# KiCad board board.kicad_pcb (continued)
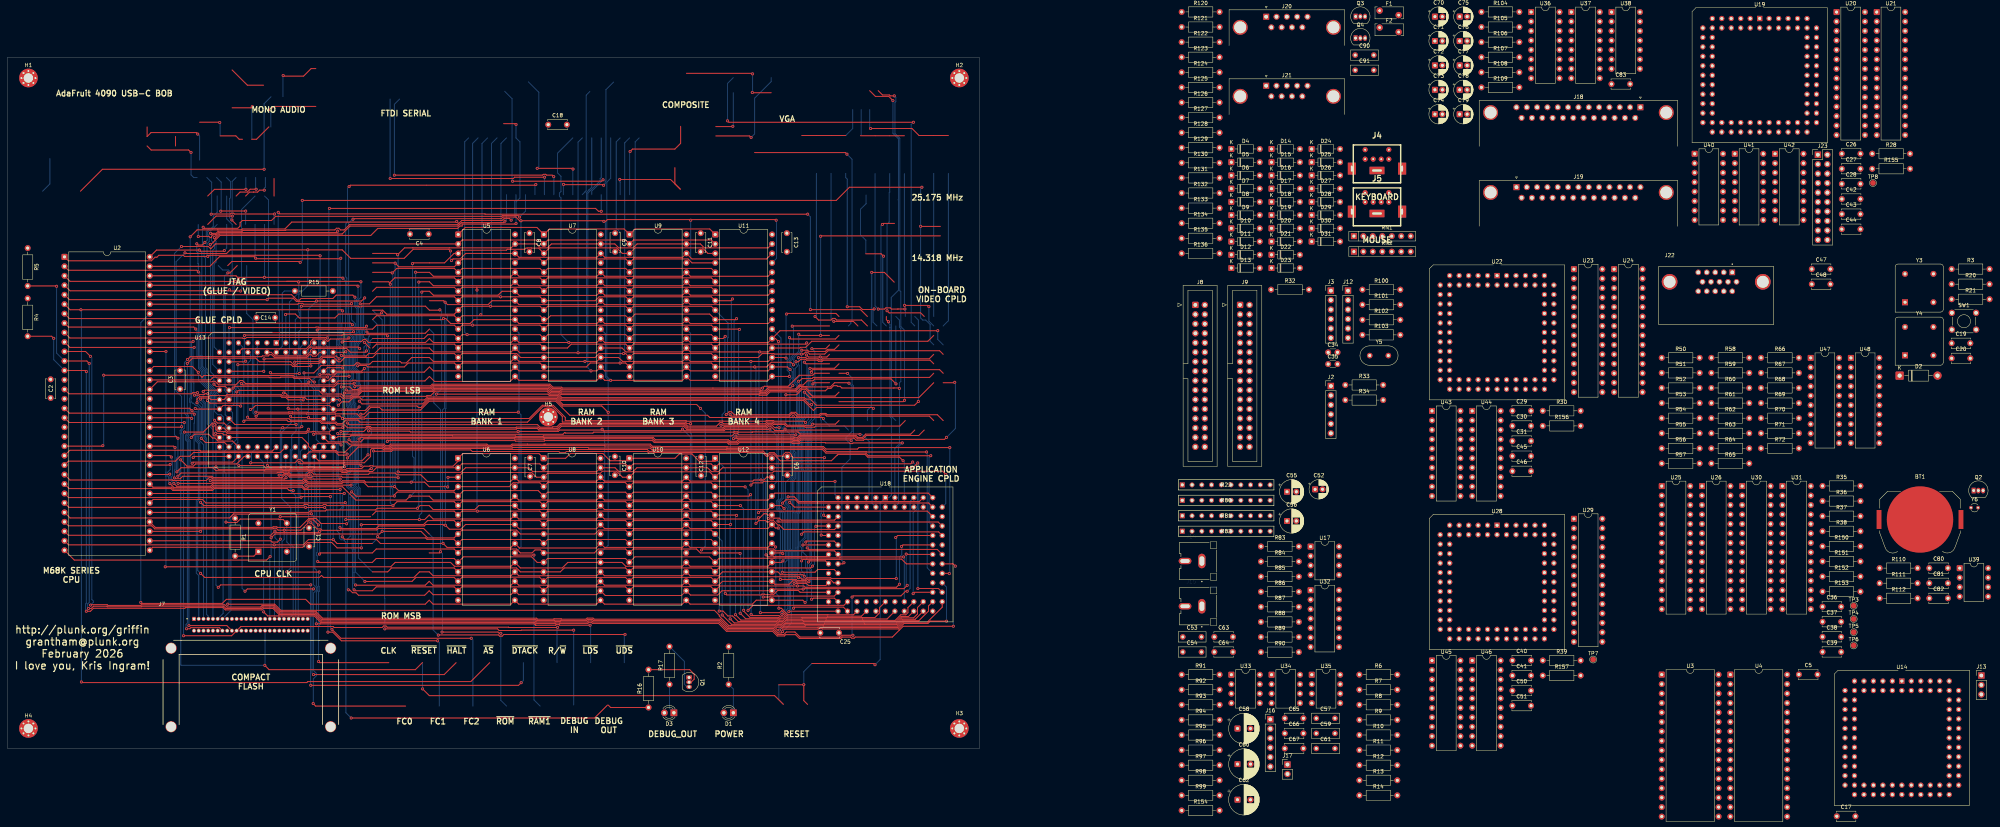
[diagram p0: board, top side]
## Routing (per net, layer and track width the routed paths; a pad name or vN(x,y) marks a point on that pad's centre or on a via; arc(x,y) is an arc through that point) (continued)
  Bottom w0.25: v1(110.3,125.22) 110.3,65.34 109.95,64.99 v1(109.95,64.51) ; v1(207.66,36) 207.66,36.53 208.48,37.34 208.48,49.95 209.04,50.52 209.04,52.93 208.7,53.26 208.7,64 v1(208.23,64.47)
A10: length 391.5
  Top w0.25: v1(111.1,122.52) 111.34,122.75 113.14,122.75 114.19,121.7 131.56,121.7 132.62,122.75 U5.26 137.22,121.65 157.98,121.65 U7.26 160.14,121.7 181,121.7 U9.26 183.11,121.7 203.98,121.7 205.03,122.75 ; U2.38 39.09,66.88 52.26,66.88 53.2,65.94 90.51,65.94 v1(90.57,66) ; v1(90.73,61.47) v1(110.45,61.47) 111.86,61.47 113.08,62.69 114.13,61.63 135,61.63 U6.26 137.11,61.63 157.97,61.63 U8.26 160.08,61.63 180.94,61.63 U10.26 183.05,61.63 201.43,61.63 201.5,61.7 201.5,61.85 v1(201.38,61.97) 201.77,61.97 202.84,63.04 203.48,63.04 203.84,62.69 U12.26 ; v1(201.88,36.49) 207.07,36.49 207.62,37.04 209.07,35.59 219.83,35.59 219.88,35.54 228.98,35.54 230.32,36.88
  Bottom w0.25: v1(201.38,61.97) 201.67,61.97 201.67,41.13 201.88,40.93 v1(201.88,36.49) ; v1(90.57,66) 90.97,65.6 90.97,61.71 v1(90.73,61.47) ; v1(110.45,61.47) 110.43,61.49 110.43,62.59 111.1,63.27 v1(111.1,122.52)
A11: length 380.5
  Top w0.25: v1(89.77,56.83) 90.41,56.19 98.87,56.19 100,55.06 116.78,55.06 v1(116.8,55.09) 117.88,54.01 135,54.01 U6.23 137.28,53.84 157.8,53.84 U8.23 160.08,54.01 180.94,54.01 U10.23 183.05,54.01 203.92,54.01 U12.23 205.92,54.11 v1(205.97,54.11) ; U2.39 90.29,68.48 v1(90.3,68.49) ; 227.79,36.88 226.82,35.92 220.03,35.92 219.98,35.97 209.22,35.97 207.51,37.68 v1(206.85,37.68) ; 205.03,115.14 203.98,114.08 183.11,114.08 U9.23 181,114.08 160.14,114.08 U7.23 158.03,114.08 137.17,114.08 U5.23 125.1,115.14 124.05,114.08 118.87,114.08 117.53,115.41 v1(116.91,115.41) 116.64,115.14 113.14,115.14
  Bottom w0.25: v1(205.97,54.11) 206.02,54.06 206.02,41.68 206.85,40.86 v1(206.85,37.68) ; v1(90.3,68.49) 89.8,67.99 89.8,65.68 90.15,65.33 90.15,64.7 89.9,64.44 89.9,56.95 v1(89.77,56.83) ; v1(116.8,55.09) 116.62,55.27 116.62,90.87 117.2,91.44 117.2,115.13 v1(116.91,115.41)
A12: length 371.2
  Top w0.25: 205.03,120.22 203.98,119.16 183.11,119.16 U9.25 181,119.16 160.14,119.16 U7.25 158.03,119.16 137.17,119.16 U5.25 129.94,120.22 128.89,119.16 118,119.16 v1(117.35,119.81) 116.95,120.22 113.14,120.22 ; v1(207.25,45.41) 211.47,45.41 211.79,45.09 214.15,45.09 214.52,45.46 220.56,45.46 221.53,44.5 222.7,44.5 ; v1(206.68,59.22) 205.9,59.22 U12.25 203.92,59.09 183.05,59.09 U10.25 180.94,59.09 160.08,59.09 U8.25 157.87,58.99 137.21,58.99 U6.25 122.82,60.15 121.56,58.89 118.5,58.89 v1(117.43,59.97) 116.97,59.97 116.79,60.15 112.12,60.15 111.75,59.77 99.56,59.77 98.86,59.07 89.42,59.07 v1(89.15,59.34) ; v1(89.2,69.56) 80.55,69.56 80.5,69.51 79.55,69.51 78.9,70.17 55.3,70.17 54.79,69.66 44.52,69.66 44.02,70.17 39,70.17 U2.40
  Bottom w0.25: v1(206.68,59.22) 207.25,58.64 207.25,52.78 207.11,52.64 207.11,45.55 v1(207.25,45.41) ; v1(89.2,69.56) 89.2,65.75 89.78,65.17 89.78,64.86 89.15,64.23 v1(89.15,59.34) ; v1(117.43,59.97) 117.43,69.77 117.28,69.92 117.28,70.56 117.43,70.71 117.43,91.14 117.58,91.29 117.58,115.03 117.97,115.43 117.97,116.07 117.43,116.62 117.43,119.74 v1(117.35,119.81)
A13: length 383.2
  Top w0.25: 97.9,130.38 103.87,130.38 v1(103.95,130.29) 104.92,129.32 119.82,129.32 U5.4 121.93,131.43 142.79,131.43 U7.4 144.9,131.43 165.76,131.43 U9.4 167.87,131.43 182.49,131.43 183.55,130.38 U11.4 ; 225.25,39.42 224.28,38.46 199.94,38.46 v1(198.57,37.09) ; v1(43.52,73.67) 43.41,73.56 U2.41 ; v1(44.63,71.18) 45.4,70.41 54.48,70.41 55.17,71.1 79.37,71.1 79.85,71.59 80.06,71.59 80.46,71.19 89.68,71.19 90,71.51 95.51,71.51 96.71,70.31 103.79,70.31 v1(103.8,70.31) 104.86,69.25 119.76,69.25 U6.4 134.56,70.31 135.62,71.36 142.73,71.36 U8.4 144.9,71.42 165.65,71.42 U10.4 167.81,71.36 188.68,71.36 U12.4 197.74,70.31 v1(197.8,70.24)
  Bottom w0.25: v1(44.63,71.18) 44.58,71.18 43.6,72.17 43.6,73.59 v1(43.52,73.67) ; v1(198.57,37.09) 198.57,69.47 v1(197.8,70.24) ; v1(103.95,130.29) 103.95,70.47 v1(103.8,70.31)
A14: length 383.2
  Top w0.25: U2.42 43.46,76.1 v1(43.62,76.27) ; 248.11,67.36 246.9,68.56 205.77,68.56 U12.28 203.92,66.71 183.05,66.71 U10.28 180.94,66.71 160.08,66.71 U8.28 157.97,66.71 137.11,66.71 U6.28 135,66.71 114.13,66.71 113.08,67.77 107.98,67.77 v1(107.97,67.78) 106.9,66.71 93.4,66.71 89.84,70.27 80.73,70.27 80.35,69.89 79.7,69.89 79.05,70.54 55.14,70.54 54.63,70.04 44.68,70.04 43.6,71.11 v1(43.56,71.11) ; v1(109.43,127.87) 109.46,127.84 113.14,127.84 114.19,126.78 135.06,126.78 U5.28 137.17,126.78 158.03,126.78 U7.28 160.14,126.78 181,126.78 U9.28 183.11,126.78 203.98,126.78 205.03,127.84
  Bottom w0.25: v1(109.43,127.87) 109.45,127.84 109.45,69.15 108.08,67.78 v1(107.97,67.78) ; v1(43.62,76.27) 43.62,74.87 42.74,73.99 42.74,73.35 43.22,72.87 43.22,71.45 v1(43.56,71.11)
A15: length 383
  Top w0.25: U11.3 187.81,132.92 186.33,134.4 168.3,134.4 U9.3 164.86,132.92 163.38,134.4 145.33,134.4 U7.3 142.42,134.34 140.48,134.34 140.43,134.4 139.55,134.4 139.5,134.34 139.03,134.34 138.7,134.02 134.02,134.02 133.77,133.77 121.72,133.77 U5.3 119.74,132.92 117.2,130.38 108.81,130.38 v1(108.6,130.17) ; v1(43.93,78.27) 43.55,78.64 U2.43 ; v1(118.05,70.24) 117.99,70.31 113.08,70.31 111.87,71.52 v1(108.28,71.52) 96.04,71.52 95.67,71.88 89.84,71.88 89.52,71.56 80.62,71.56 80.22,71.96 79.69,71.96 79.24,71.51 69.84,71.51 69.84,71.52 55.05,71.52 54.72,71.19 v1(45.75,71.19) ; v1(251.6,73.59) 250.74,74.45 205.52,74.45 205.06,73.99 190.88,73.99 U12.3 188.28,74.3 168.21,74.3 U10.3 164.92,72.84 163.32,74.45 159.51,74.45 158.96,73.9 144.84,73.9 U8.3 141.82,72.84 140.57,74.1 122.07,74.1 U6.3 118.18,72.84 v1(118.12,72.79)
  Bottom w0.25: v1(118.05,70.24) 118.12,70.31 v1(118.12,72.79) ; 250.64,64.82 251.6,65.78 v1(251.6,73.59) ; v1(45.75,71.19) 45.07,71.87 44.43,71.87 43.98,72.32 43.98,72.97 44.28,73.27 44.28,76.7 44.1,76.89 44.1,78.09 v1(43.93,78.27) ; v1(108.28,71.52) 109.03,72.28 109.03,78.04 108.6,78.47 v1(108.6,130.17)
A16: length 431.6
  Top w0.25: v1(44.75,72.65) 44.96,72.44 46.33,72.44 46.98,73.09 54.85,73.09 55.18,72.77 72.4,72.77 72.42,72.74 73.63,72.74 74.38,73.49 75.02,73.49 75.63,72.88 80.56,72.88 80.72,72.72 81.39,72.72 81.79,73.12 89.52,73.12 89.79,72.84 104.59,72.84 v1(104.75,72.69) ; v1(244.07,76.67) 242.79,75.39 U12.31 191.74,75.39 190.68,74.33 188.78,74.33 187.72,75.39 U10.31 168.76,75.39 167.71,74.33 163.97,74.33 162.91,75.39 U8.31 157.97,74.33 140.87,74.33 139.81,75.39 U6.31 122.82,75.39 121.57,74.14 104.88,74.14 v1(104.75,74.27) ; 205.03,135.46 203.98,134.4 186.86,134.4 185.8,135.46 U9.31 168.82,135.46 167.77,134.4 163.91,134.4 162.85,135.46 U7.31 145.85,135.46 144.8,134.4 142.89,134.4 141.84,135.46 U5.31 135.06,134.4 118.5,134.4 118.48,134.42 108.67,134.42 108.65,134.4 106.46,134.4 v1(104.62,132.56) 104.28,132.92 97.9,132.92 ; v1(44.93,80.81) 44.56,81.18 U2.44 ; 250.64,41.96 249.64,42.97 v1(244.12,42.97)
  Bottom w0.25: v1(244.12,42.97) 244.12,64.02 244.37,64.26 244.37,76.37 v1(244.07,76.67) ; v1(44.75,72.65) 44.75,74.69 44.93,74.86 v1(44.93,80.81) ; v1(104.62,132.56) 104.75,132.44 v1(104.75,74.27) v1(104.75,72.69)
A17: length 460.1
  Top w0.25: v1(242.73,76.92) 242.25,76.44 190.78,76.44 U12.2 188.68,76.44 167.81,76.44 U10.2 165.7,76.44 144.84,76.44 U8.2 142.73,76.44 121.87,76.44 U6.2 98.92,75.39 97.9,74.37 97.01,74.37 96.98,74.34 91.21,74.34 90.98,74.11 89.72,74.11 89.32,74.51 81.75,74.51 81.66,74.6 80.71,74.6 80.62,74.51 75.6,74.51 75.49,74.62 73.91,74.62 73.8,74.51 69.02,74.51 68.94,74.59 55.92,74.59 55.12,75.39 46.54,75.39 v1(45.43,74.28) ; U2.45 45.3,83.72 v1(45.72,83.3) ; 248.11,41.96 243.22,41.96 v1(242.85,41.59) ; v1(46.65,134.77) 53.88,134.77 54.5,134.14 55.81,135.46 U5.2 121.93,136.51 142.79,136.51 U7.2 144.9,136.51 165.76,136.51 U9.2 167.87,136.51 188.74,136.51 U11.2
  Bottom w0.25: v1(46.65,134.77) 44.8,132.92 44.8,97.15 44.78,97.12 44.78,95.88 44.8,95.85 44.8,84.22 v1(45.72,83.3) 45.72,78.37 45.31,77.97 45.31,74.4 v1(45.43,74.28) ; v1(242.85,41.59) 242.85,63.28 243.99,64.42 243.99,75.65 v1(242.73,76.92)
A18: length 480.7
  Top w0.25: v1(45.69,73.12) 46.55,73.97 72.31,73.97 72.47,74.13 73.95,74.13 74.07,74.24 75.33,74.24 75.94,73.64 80.41,73.64 80.99,74.22 81.5,74.22 82.09,73.64 96.81,73.64 97.15,73.97 103.97,73.97 104.46,73.49 110.84,73.49 112.61,71.72 134.93,71.72 U6.30 137.11,71.79 157.97,71.79 U8.30 160.08,71.79 180.94,71.79 U10.30 183.05,71.79 199.87,71.79 200.17,72.09 v1(202.05,72.09) 202.83,72.09 203.65,72.91 203.72,72.84 U12.30 ; v1(119.05,130.99) 119.49,131.43 121.39,131.43 122.88,132.92 U5.30 137.17,131.86 158.03,131.86 U7.30 160.14,131.86 181,131.86 U9.30 183.54,131.43 203.54,131.43 205.03,132.92 ; U2.46 46.57,86.26 v1(46.7,86.39) ; v1(47.6,133.06) 47.78,132.89 58.75,132.89 59.72,133.87 v1(80.53,133.87) 89.75,133.87 92.03,131.59 106.38,131.59 108.82,134.04 118.32,134.04 v1(118.8,133.56) ; 222.7,41.96 221.68,40.94 204.52,40.94 204.27,40.69 v1(202.65,40.69)
  Bottom w0.25: v1(119.05,130.99) 119.05,131.31 118.8,131.56 v1(118.8,133.56) ; 77.18,108.91 77.18,115.14 78.25,116.2 78.25,117.08 78.12,117.2 78.12,121.84 80.53,124.24 v1(80.53,133.87) ; v1(47.6,133.06) 45.23,130.69 45.23,97.04 45.15,96.97 45.15,96.03 46.7,94.49 v1(46.7,86.39) 46.7,85.82 46.32,85.44 46.32,84.48 46.47,84.33 46.47,78.59 45.69,77.81 45.69,75.04 46.09,74.64 46.09,73.51 v1(45.69,73.12) ; v1(202.05,72.09) 202.65,71.49 v1(202.65,40.69)
A19: length 439.8
  Top w0.25: v1(62.03,75.99) 68.6,75.99 69.33,75.26 73.49,75.26 73.6,75.38 75.8,75.38 75.91,75.26 80.3,75.26 80.39,75.35 81.97,75.35 82.06,75.26 89.63,75.26 90.03,74.87 90.67,74.87 91,75.19 94.99,75.19 95.59,75.79 97.13,75.79 97.25,75.92 97.9,75.92 98.02,75.79 119.48,75.79 120.81,77.12 U6.1 122.06,79.17 142.54,79.17 U8.1 149.66,77.93 150.97,79.24 156.87,79.24 156.89,79.21 159.64,79.21 161.59,77.27 166.1,77.27 U10.1 178.98,77.93 180.14,79.08 183.55,79.08 185.51,77.12 189.72,77.12 189.73,77.12 U12.1 ; v1(49.53,76.6) 49.81,76.88 60.4,76.88 61.94,78.43 ; U2.47 49.24,88.8 v1(49.41,88.63) ; 220.17,41.96 212.55,41.96 212.07,42.44 206.53,42.44 205.41,41.31 203.12,41.31 202.97,41.47 202.33,41.47 202.12,41.25 192.86,41.25 v1(192.48,41.64) ; v1(49,137.37) 50.87,139.23 56.36,139.23 56.38,139.25 62.76,139.25 62.98,139.47 74.38,139.47 76.23,141.31 120.28,141.31 v1(120.47,141.5) ; U5.1 122.76,139.89 141.95,139.89 U7.1 145.32,139.47 165.34,139.47 U9.1 168.29,139.47 188.31,139.47 U11.1
  Bottom w0.25: U5.1 120.87,141.1 v1(120.47,141.5) ; v1(49.53,76.6) 49.03,77.09 49.03,82.64 48.5,83.17 48.5,83.81 49.03,84.33 49.03,88.25 v1(49.41,88.63) 49.41,89.69 48.7,90.39 48.7,91.04 49,91.34 49,92.84 48.82,93.01 48.82,93.97 49,94.14 v1(49,137.37) ; U12.1 192.48,75.18 v1(192.48,41.64) ; v1(62.03,75.99) 62.03,78.34
A20: length 282.7
  Top w0.25: U2.48 48.85,91.34 v1(49.47,90.72) ; v1(59.05,38.77) 71.65,38.77 73.3,37.11 189.56,37.11 190.88,35.79 190.88,35.54 193.44,32.98 194,32.98 194,32.98 205.86,32.98 206.25,32.59 207.27,32.59 207.79,32.07 217.36,32.07 217.49,32.2 218.42,32.2 218.49,32.12 238.93,32.12 240.39,33.59 246.81,33.59 247.44,34.22 v1(251.8,34.22) ; 59.4,78.43 50.09,78.43 v1(49.8,78.14)
  Bottom w0.25: 59.4,78.43 59.4,39.12 v1(59.05,38.77) ; v1(49.47,90.72) 49.77,90.42 50.86,90.42 50.86,84.88 50.05,84.07 50.05,78.39 v1(49.8,78.14) ; 250.64,44.5 251.8,43.34 v1(251.8,34.22)
A21: length 240.4
  Top w0.25: v1(210.93,44.34) 210.93,44.34 214.26,44.34 214.81,43.79 219.45,43.79 220.17,44.5 ; v1(82.1,84.37) 82.2,84.47 86.38,84.47 87.34,83.5 88.35,83.5 88.58,83.74 91.82,83.74 92.07,83.99 119.3,83.99 119.37,83.92 136.21,83.92 136.32,83.81 143.61,83.81 143.72,83.92 194.26,83.92 195,84.66 195.64,84.66 196.08,84.21 211.39,84.21 v1(211.39,84.22) ; U2.50 40.19,98.46 54.91,98.46 55.05,98.59 55.65,98.59 56.62,97.63 61.21,97.63 62.38,98.79 63.02,98.79 63.81,98 80.74,98 80.82,98.08 v1(80.82,98.39)
  Bottom w0.25: v1(82.1,84.37) 82.1,96.51 80.82,97.79 v1(80.82,98.39) ; v1(211.39,84.22) 211.1,83.93 211.1,79.77 211.39,79.48 211.39,77.46 211.35,77.42 211.35,72.52 210.85,72.03 210.85,63.31 210.85,63.31 210.93,63.24 v1(210.93,44.34)
A22: length 266.9
  Top w0.25: v1(252.55,46.97) 252.48,47.04 250.64,47.04 ; U2.51 54.47,98.96 55.22,99.71 70.12,99.71 70.27,99.56 73.16,99.56 73.3,99.71 76.52,99.71 76.87,99.36 81,99.36 81.97,98.39 v1(82.27,98.39) ; 84.8,83.5 86,82.31 91.08,82.31 91.66,81.72 100.96,81.72 101.37,81.31 102.33,81.31 102.74,81.72 128.55,81.72 128.86,81.41 135.01,81.41 135.32,81.72 139.45,81.72 139.46,81.7 143.85,81.7 144.16,81.7 144.18,81.72 172.36,81.72 172.94,81.14 175.06,81.14 175.14,81.07 192.98,81.07 193.08,80.97 196.13,80.97 196.23,81.07 218.79,81.07 219.47,80.39 227.9,80.39 228.3,80.79 v1(252.68,80.79)
  Bottom w0.25: v1(252.68,80.79) 252.68,47.09 v1(252.55,46.97) ; v1(82.27,98.39) 82.27,98.02 83,97.29 83,85.31 84.8,83.5
A23: length 313.3
  Top w0.25: U2.52 39.2,102.55 49.59,102.55 v1(51.16,100.99) ; 113.14,112.59 112.03,111.49 96.71,111.49 v1(96.39,111.81) ; v1(96.28,106.74) 95.93,106.39 91.95,106.39 90.94,107.4 82.69,107.4 82.69,107.4 81.83,107.4 81.22,106.79 81.22,106.5 80.12,105.4 71.7,105.4 70.74,106.37 U13.4 ; v1(55.84,84.61) 57.64,84.61 58.03,84.22 58.69,84.22 59.4,83.5 78.95,83.5 80.68,81.77 80.68,81.18 81.86,80 88.11,80 88.55,79.56 90.49,79.56 92.24,81.32 100.83,81.32 101.22,80.93 102.48,80.93 102.87,81.32 128.42,81.32 128.71,81.03 135.17,81.03 135.45,81.32 160.13,81.32 160.21,81.24 172.31,81.24 172.78,80.77 174.46,80.77 174.53,80.69 192.83,80.69 192.92,80.59 196.29,80.59 196.39,80.69 218.64,80.69 219.64,79.69 230.29,79.69 230.36,79.62 v1(246.45,79.62)
  Bottom w0.25: v1(96.28,106.74) 96.28,107.92 96.85,108.48 96.85,110.49 97.03,110.67 97.03,111.17 v1(96.39,111.81) ; v1(55.84,84.61) 55.84,87.28 55.73,87.38 54.59,87.38 54.59,92.55 54.76,92.73 54.76,94.74 54.39,95.12 54.39,95.68 51.22,98.84 51.22,100.92 v1(51.16,100.99) ; v1(246.45,79.62) 246.62,79.44 246.62,48.52 248.11,47.04
D0: length 462.4
  Top w0.25: 220.17,57.2 218.31,57.2 v1(218.2,57.31) ; 97.9,107.52 98.95,108.57 119.82,108.57 U5.13 121.93,108.57 142.79,108.57 U7.13 150.13,107.52 151.19,108.57 165.76,108.57 U9.13 167.87,108.57 188.74,108.57 U11.13 190.84,108.57 213.98,108.57 v1(214.3,108.89) ; U2.5 16.62,120.49 v1(69.62,120.49) 70.02,120.89 76.6,120.89 77.5,119.99 82.73,119.99 v1(82.88,120.14) 94.95,120.14 v1(95.78,120.97) ; 84.8,88.59 80.98,88.59 v1(80.72,88.84) 76.2,88.84 75.93,89.12 v1(75.93,89.22) ; v1(214.22,105.65) 214.76,105.11 v1(217.95,105.11) 219.71,105.11 220.43,105.83 ; 97.23,107.52 v1(95.69,109.05)
  Bottom w0.25: v1(214.3,108.89) 214.3,105.72 v1(214.22,105.65) ; 68.94,148.31 69.99,147.26 69.99,120.86 v1(69.62,120.49) ; U9.13 168.32,109.02 168.32,162.86 169.38,163.92 ; v1(95.69,109.05) 95.1,109.65 95.1,111.24 95.22,111.37 95.22,112.14 95.5,112.42 95.5,120.69 v1(95.78,120.97) ; v1(80.72,88.84) 80.68,88.88 80.68,97.12 80.05,97.76 80.05,98.72 80.5,99.17 80.68,99.17 80.68,117.95 v1(82.88,120.14) ; v1(218.2,57.31) 218.2,62.22 218.07,62.34 218.07,62.99 218.2,63.11 218.2,88.08 217.99,88.28 217.99,88.93 218.2,89.13 218.2,104.86 v1(217.95,105.11) ; J7.21 76.6,36 76.6,54.27 75.96,54.91 75.96,64.73 73.53,67.17 73.53,84.89 76.07,87.44 76.07,89.06 v1(75.93,89.22)
D1: length 527.6
  Top w0.25: v1(212.94,57.54) 213.56,58.16 249.68,58.16 250.64,57.2 ; v1(62.53,122.81) 59.85,122.81 v1(59.53,123.14) 59.26,122.87 16.78,122.87 U2.4 ; 250.9,105.83 249.94,106.79 220.03,106.79 219.13,105.89 215.08,105.89 214.54,106.42 213.98,106.42 213.45,105.89 v1(212.9,105.89) 205.6,105.89 205.47,106.03 202.36,106.03 201.31,104.98 U11.14 188.74,106.03 167.87,106.03 U9.14 165.76,106.03 v1(165.2,106.03) 158.65,106.03 157.6,104.98 U7.14 137.6,104.98 136.55,106.03 121.93,106.03 U5.14 119.82,106.03 98.95,106.03 97.9,104.98 90.46,104.98 89.3,103.82 88.71,103.82 87.55,104.98 84.59,104.98 83.48,103.87 77.18,103.87 v1(77.03,103.72) ; v1(77.4,86.99) 61,86.99 59.4,88.59
  Bottom w0.25: 59.4,88.59 58.38,89.61 58.38,94.62 59,95.24 58.44,95.81 58.44,95.9 58.12,96.22 58.36,96.45 58.36,121.98 v1(59.53,123.14) ; v1(212.94,57.54) 213.21,57.81 213.21,74.54 212.9,74.85 212.9,82.92 213.41,83.43 213.41,85 212.69,85.72 212.69,86.67 212.43,86.92 212.43,88.19 212.9,88.66 v1(212.9,105.89) ; v1(77.03,103.72) 77.03,87.37 v1(77.4,86.99) 77.4,85.27 76.22,84.09 76.22,81.37 76.22,81.36 76.22,80.57 76.22,80.56 76.22,80.54 75.84,80.16 75.84,69.5 75.96,69.37 75.96,68.98 76.34,68.6 76.6,68.6 76.6,68.54 77.3,67.84 77.3,35.43 J7.22 ; 166.83,163.92 165.5,162.58 165.5,106.33 v1(165.2,106.03) ; 66.4,148.31 62.75,144.67 62.75,123.04 v1(62.53,122.81)
D2: length 497.3
  Top w0.25: 74.85,125.41 94.65,125.41 v1(94.78,125.29) ; 74.85,125.41 v1(61.1,125.41) 60.26,125.41 60.18,125.34 58.27,125.34 58.19,125.41 16.78,125.41 U2.3 ; 74.85,125.41 77.9,125.41 v1(78.07,125.24) ; v1(200.7,60.44) 201.46,61.2 203.31,61.2 203.67,60.84 204.18,60.84 204.53,61.2 205.41,61.2 206.61,59.99 207,59.99 208.15,58.84 219.7,58.84 219.77,58.78 221.74,58.78 222.7,59.74 ; 222.96,108.37 221.77,107.17 219.87,107.17 219.32,106.62 214.88,106.62 214.56,106.94 v1(213,106.94) ; 84.8,91.12 v1(77.85,91.12) 75.49,91.12 v1(75.28,91.34) ; v1(210.76,103.02) 210.09,103.69 204.8,103.69 203.54,102.44 v1(200.38,102.44) U11.15 188.74,103.49 167.87,103.49 U9.15 165.76,103.49 v1(164.27,103.49) 156.26,103.49 155.21,102.44 U7.15 142.79,103.49 121.93,103.49 U5.15 119.82,103.49 107.45,103.49 106.4,102.44 96.6,102.44 96.22,102.81 93.97,102.81 v1(93.9,102.74)
  Bottom w0.25: v1(200.7,60.44) 200.65,60.49 200.65,71.35 200.7,71.41 200.7,102.11 v1(200.38,102.44) ; v1(210.76,103.02) 210.76,104.27 210.89,104.39 210.89,104.83 v1(213,106.94) ; J7.23 77.96,74.45 77.43,74.99 77.43,77.31 78.14,78.03 78.14,90.83 v1(77.85,91.12) ; 164.3,163.92 163.24,162.86 163.24,139.64 164.27,138.6 v1(164.27,103.49) ; v1(61.1,125.41) 60.27,126.25 60.27,140.7 58.78,142.18 58.78,148.31 ; v1(78.07,125.24) 78.12,125.19 78.12,122.38 75.6,119.86 75.6,105.97 75.28,105.64 v1(75.28,91.34) ; v1(94.78,125.29) 94.78,121.14 93.95,120.31 93.95,119.84 93.79,119.69 93.79,119.04 94.67,118.17 94.67,112.66 94.47,112.45 94.47,111.68 94.34,111.55 94.34,109.26 93.76,108.68 93.76,102.88 v1(93.9,102.74)
D3: length 478.1
  Top w0.25: v1(209.68,99.89) 209.23,99.89 209.22,99.9 205.03,99.9 203.98,98.84 183.11,98.84 U9.17 181,98.84 v1(161.75,98.84) 160.14,98.84 U7.17 158.03,98.84 137.17,98.84 U5.17 134.78,98.56 114.47,98.56 113.14,99.9 111.94,98.69 93.47,98.69 93.3,98.87 92.65,98.87 92.48,98.69 88.65,98.69 87.58,97.62 63.1,97.62 v1(62.7,98.02) ; v1(50.76,135.49) 51.11,135.14 52.21,135.14 v1(52.94,135.87) ; v1(209.68,110.31) 210.05,109.94 222,109.94 222.96,110.91 ; v1(62.53,91.94) 62.38,92.09 57.82,92.09 56.86,91.12 50.52,91.12 v1(50.35,91.29) ; v1(51.18,127.95) 50.74,128.39 16.34,128.39 U2.2 ; 222.7,62.28 221.74,61.32 207.48,61.32 206.93,61.87 205.64,61.87 205.41,61.63 204.14,61.63 v1(204.01,61.77)
  Bottom w0.25: v1(204.01,61.77) 203.65,62.12 203.65,98.52 205.03,99.9 ; 51.18,130.09 51.07,130.19 51.07,133.08 50.76,133.4 v1(50.76,135.49) ; 51.18,130.09 51.18,130.14 ; 51.18,130.09 v1(51.18,127.95) ; 161.75,163.92 161.75,153.09 160.7,152.04 160.7,99.89 v1(161.75,98.84) ; 51.57,127.88 51.57,105.51 51.75,105.34 51.75,105.33 51.99,105.1 51.99,102.32 52.75,101.55 52.75,98.92 55.52,96.15 55.52,95.59 55.9,95.21 55.9,92.09 56.86,91.12 ; v1(62.7,98.02) 62.62,97.95 62.62,92.04 v1(62.53,91.94) ; v1(209.68,99.89) 209.68,100.96 209.07,101.57 209.07,104.17 209.68,104.78 v1(209.68,110.31) ; v1(50.35,91.29) 50.64,91.29 51.24,90.69 51.24,84.72 50.43,83.91 50.43,82.65 51.2,81.88 51.2,67.14 50.64,66.58 50.64,47.1 51.29,46.44 J7.02 ; v1(52.94,135.87) 53.55,136.48 53.55,137.48 53.42,137.61 53.42,137.72 53.31,137.83 53.31,138.79 53.98,139.46 54.46,139.46 55.19,140.19 55.19,142.91 56.24,143.96 56.24,148.31
D4: length 480.6
  Top w0.25: v1(50.83,92.83) 50.83,93.81 51.48,94.46 54.04,94.46 54.32,94.74 58.58,94.74 58.84,95.01 73.39,95.01 73.73,94.67 74.77,94.67 75.18,94.25 79.7,94.25 80.29,93.67 84.8,93.67 ; v1(83.84,132.27) 83.68,132.42 54.03,132.42 v1(53.72,132.12) 47.45,132.12 47.15,132.42 40.59,132.42 40.07,131.89 39.55,131.89 38.59,130.93 16.34,130.93 U2.1 ; v1(210.43,113.39) 210.48,113.45 220.43,113.45 ; 220.17,64.82 211.02,64.82 v1(209.75,66.09) ; v1(83.75,100.41) 83.85,100.32 85.36,100.32 85.55,100.52 86.2,100.52 86.39,100.32 87.74,100.32 88.33,100.91 95.1,100.91 95.23,101.04 111.74,101.04 113.14,102.44 114.19,101.38 135.06,101.38 U5.18 137.17,101.38 v1(156.48,101.38) 158.03,101.38 U7.18 160.14,101.38 181,101.38 U9.18 183.11,101.38 203.98,101.38 205.03,102.44 209.15,102.44 v1(209.85,101.74)
  Bottom w0.25: v1(156.48,101.38) 155.62,102.24 155.62,149.11 156.3,149.79 156.3,149.8 158.93,152.42 158.93,152.99 159.21,153.28 159.21,163.92 ; v1(53.72,132.12) 53.51,132.33 53.51,135.5 54.1,136.1 54.1,137.46 53.8,137.76 53.8,137.87 53.68,137.99 53.68,138.63 54.14,139.09 54.63,139.09 56.24,140.7 ; 84.8,93.67 83.53,94.94 83.53,98.83 83.88,99.18 83.88,100.29 v1(83.75,100.41) 83.84,100.5 v1(83.84,132.27) ; v1(209.75,66.09) 210.1,66.44 210.1,72.34 210.56,72.8 210.56,77.7 210.63,77.77 210.63,79.02 210.35,79.3 210.35,86.34 209.81,86.88 209.81,98.98 210.43,99.6 210.43,101.16 v1(209.85,101.74) 209.61,101.98 209.61,104.18 210.11,104.68 210.11,105.12 210.75,105.76 210.75,113.06 v1(210.43,113.39) ; J7.03 52.56,81.58 51.18,82.96 51.18,83.6 51.99,84.41 51.99,91.66 v1(50.83,92.83)
D5: length 449.8
  Top w0.25: v1(58.14,133.67) 57.97,133.5 51.75,133.5 v1(51.44,133.81) 39.99,133.81 U2.64 ; v1(51.75,93.8) 52.03,94.09 54.16,94.09 54.58,93.67 58.04,93.67 59,94.63 73.23,94.63 73.57,94.29 74.61,94.29 75.3,93.6 v1(79.29,93.6) ; v1(208.9,116.64) 209.07,116.81 222.13,116.81 222.96,115.99 ; v1(79.51,100.84) 82.15,100.84 84.17,102.86 92.92,102.86 93.58,103.52 94.22,103.52 94.55,103.19 97.17,103.19 97.9,103.92 105.28,103.92 105.69,103.51 106.94,103.51 108.4,104.98 113.14,104.98 114.19,103.92 135.06,103.92 U5.19 137.17,103.92 v1(154.85,103.92) 158.03,103.92 U7.19 163.88,104.98 164.94,103.92 181,103.92 U9.19 183.11,103.92 v1(199.35,103.92) 203.98,103.92 205.03,104.98 208.62,104.98 v1(208.77,104.81) ; v1(199.35,70.74) 199.93,71.32 202.37,71.32 202.77,71.72 v1(221.9,71.72)
  Bottom w0.25: v1(208.77,104.81) 208.77,116.52 v1(208.9,116.64) ; v1(51.44,133.81) 52.12,133.13 52.12,105.49 52.36,105.25 52.36,102.48 53.13,101.71 53.13,99.07 55.9,96.31 55.9,95.74 56.86,94.78 56.86,93.67 ; J7.04 53.83,35.57 53.4,36.01 53.4,72.38 53.02,72.76 53.02,83.08 52.7,83.41 52.7,83.8 52.75,83.85 52.75,92.62 51.75,93.62 v1(51.75,93.8) ; v1(221.9,71.72) 221.9,68.17 222.7,67.36 ; v1(154.85,103.92) 155.25,104.32 155.25,149.27 155.92,149.94 155.92,149.95 156.68,150.71 156.68,163.92 ; v1(58.14,133.67) 58.78,134.31 58.78,140.7 ; v1(79.51,100.84) 79.67,100.67 79.67,97.6 79.78,97.5 79.78,94.08 v1(79.29,93.6) ; v1(199.35,70.74) v1(199.35,103.92)
D6: length 510.3
  Top w0.25: v1(53.61,93.41) 54.32,92.7 86.38,92.7 87.34,93.67 88.96,93.67 v1(89.04,93.58) ; U2.63 54.27,129.44 56.87,132.04 66.14,132.04 v1(66.54,131.64) 66.69,131.49 89.25,131.49 v1(89.38,131.62) ; 248.37,110.91 246.79,109.33 215.66,109.33 214.04,107.71 212.68,107.71 212.48,107.52 205.03,107.52 203.98,106.46 v1(201.7,106.46) 183.11,106.46 U9.20 181,106.46 165.86,106.46 164.81,107.52 U7.20 157.81,106.24 v1(153,106.24) 137.39,106.24 U5.20 135.06,106.46 114.19,106.46 113.14,107.52 99.91,107.52 98.42,106.03 96.86,106.03 96.21,105.38 89.68,105.38 v1(89.53,105.53) ; v1(201.38,63.34) 201.5,63.34 201.9,63.74 246.65,63.74 248.11,62.28
  Bottom w0.25: v1(53.61,93.41) 53.58,93.37 53.58,87.13 55.1,85.61 J7.05 ; 154.13,163.92 153,162.78 v1(153,106.24) ; 66.4,140.7 66.4,131.78 v1(66.54,131.64) ; v1(201.7,106.46) 201.5,106.26 201.5,72.64 201.25,72.39 201.25,63.59 201.38,63.47 v1(201.38,63.34) ; v1(89.04,93.58) 88.76,93.87 88.76,100.27 89.13,100.64 89.13,103.65 89.68,104.2 89.68,105.38 v1(89.53,105.53) 89.18,105.88 89.18,107.84 88.59,108.42 88.59,109.61 89.18,110.19 89.18,131.42 v1(89.38,131.62)
  vias: v1(68.72,101.27) v1(68.8,104.62) v1(88.72,92.17) v1(88.93,104.62) v1(232.18,91.31)
D7: length 685.5
  Top w0.25: 220.17,62.28 219.24,62.28 v1(218.85,62.67) ; 205.03,110.06 207.14,112.17 v1(249.45,112.17) ; 205.03,110.06 203.96,108.99 183.12,108.99 U9.21 181,109 160.14,109 U7.21 158.03,109 v1(150.53,109) 137.17,109 U5.21 135.06,109 114.19,109 113.14,110.06 112.09,109 96.84,109 96.01,109.83 95.46,109.83 94.91,109.28 89.89,109.28 v1(89.74,109.13) ; 205.03,110.06 205.94,110.06 v1(206.75,109.24) ; v1(89.95,126.27) 89.72,126.49 v1(68.88,126.49) 62.2,126.49 v1(61.95,126.24) 61.29,126.9 U2.62 ; 250.64,59.74 249.57,60.81 206.89,60.81 v1(206.61,61.09) ; v1(219.05,78.09) 210.7,78.09 210.26,78.54 210.26,78.86 209.6,79.52 208.66,79.52 208,78.86 208,78.54 206.48,78.54 205.59,79.43 204.35,79.43 203.71,78.79 202.67,79.84 173.16,79.84 173.06,79.74 172.09,79.74 171.54,80.29 135.49,80.29 135.48,80.28 128.39,80.28 128.13,80.54 103.16,80.54 102.8,80.18 100.9,80.18 100.54,80.54 97.71,80.54 97.38,80.21 97.38,78.41 95.68,76.72 90.34,76.72 90.21,76.84 79.32,76.84 78.52,77.64 78.03,77.64 77.1,76.72 v1(65.22,76.72)
  Bottom w0.25: 250.9,108.37 249.45,109.82 v1(249.45,112.17) ; v1(219.05,78.09) 218.85,77.89 v1(218.85,62.67) ; v1(206.75,109.24) 206.75,86.94 206.07,86.26 206.07,85.75 206.75,85.07 206.75,66.98 206.29,66.52 206.29,64.25 207.18,63.37 207.18,61.66 v1(206.61,61.09) ; J7.06 57.82,36.27 57.82,84.63 58.4,85.21 58.4,86.41 59.61,87.62 59.8,87.62 60.36,88.19 60.36,90.16 59.4,91.12 60.83,92.55 60.83,95.99 61.28,96.44 61.28,97.08 60.83,97.53 60.83,124.05 61.95,125.17 v1(61.95,126.24) ; 67.02,80.97 65.44,79.39 65.44,76.93 v1(65.22,76.72) ; v1(89.74,109.13) 90.34,109.73 90.34,112.63 90.62,112.92 90.62,125.59 v1(89.95,126.27) ; v1(68.88,126.49) 68.94,126.56 68.94,140.7 ; v1(150.53,109) 148.42,111.11 148.42,147.82 148,148.24 148,149.11 148.42,149.53 148.42,153.6 147.5,154.52 147.5,159.82 151.59,163.92
